# Altium PCB design.PcbDoc (part 4 of 4)
Units mil, origin at the board's own origin, x right, y up, seen from the top; angles counter-clockwise.
Board outline 4704.72 x 3503.94 mil, 6 copper layers (Top, GND, S3, S14, Power, Bottom), stack 57.09 mil thick; 326 components, 365 nets, 1536 pads, 493 vias.
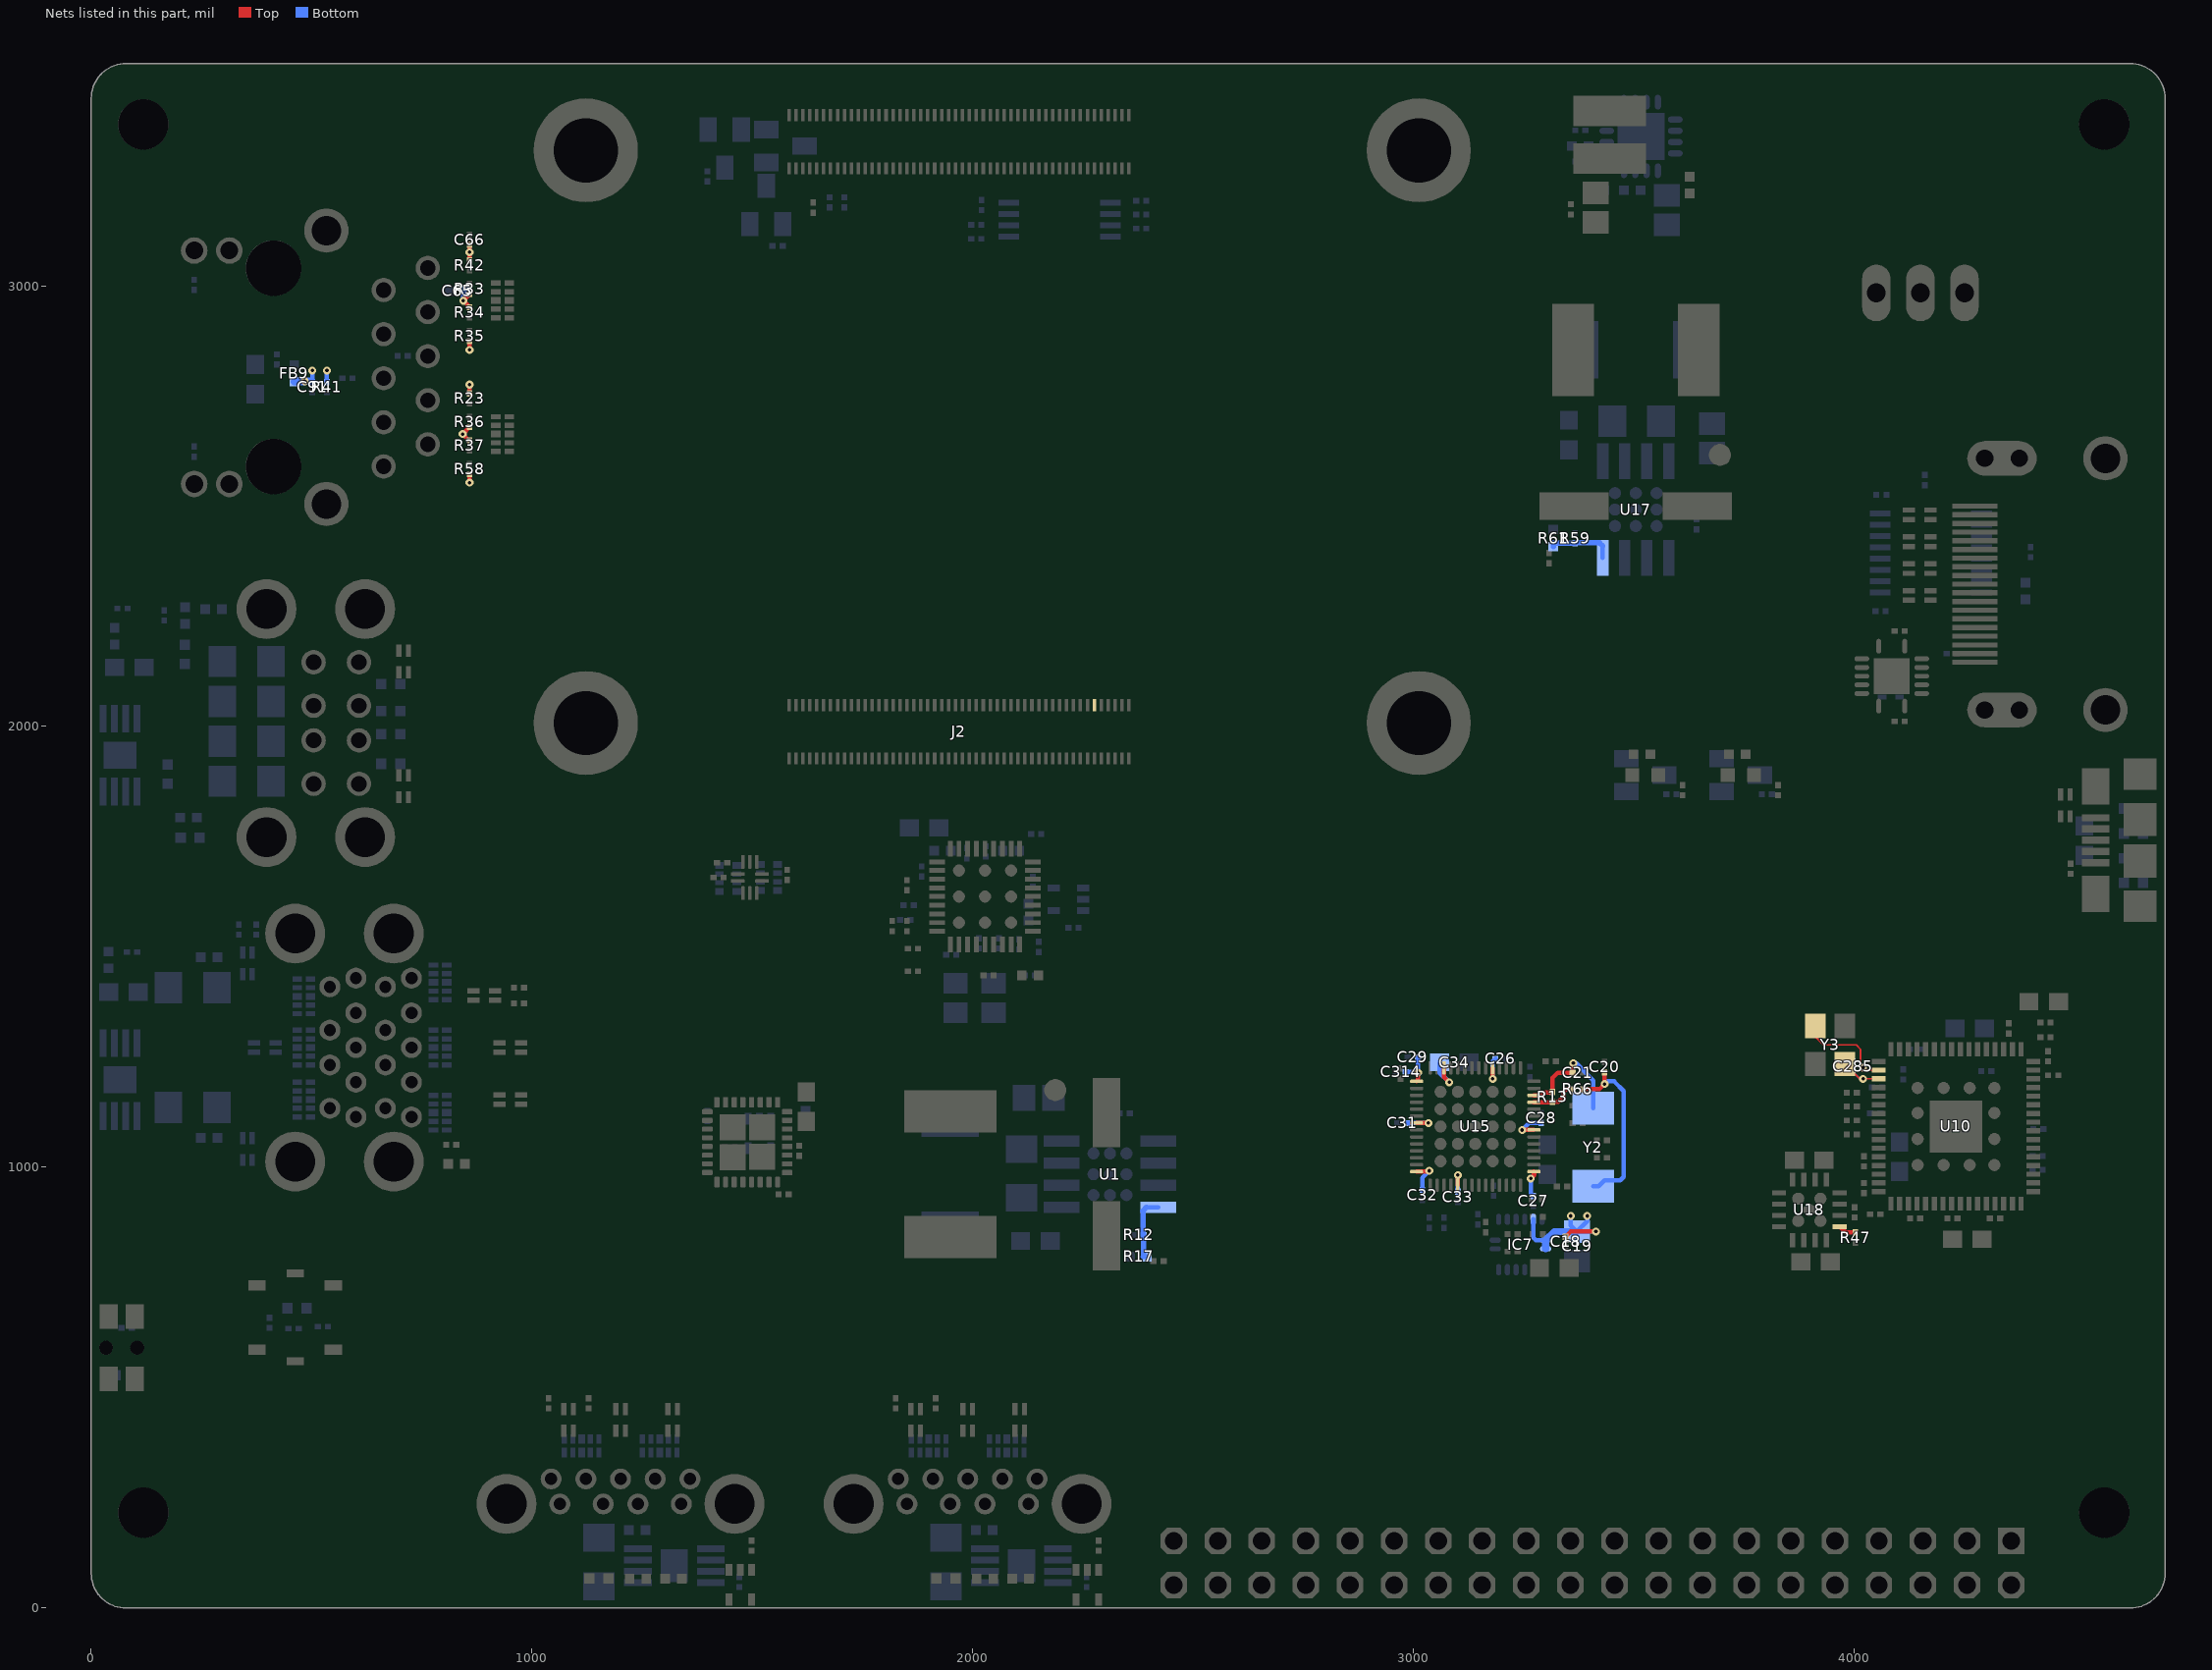
[diagram p6: the nets of this part, all layers, seen from the top]

## Via types
v1: diameter 18/18/18/18/18/18 (per signal layer), hole 8, Top to Bottom, 493 vias

## Nets (pads, with @x,y where several pads share a name; then routed paths per layer and width w, separated by ;. In a path a pad name is that pad's centre, name@x,y a point inside that pad or via, vN(x,y) a via of type N, cw(c..) or ccw(c..) an arc to the next point about the centre after c; other vN are vias at no path point) (continued)
VCC_1.2$19: C18.1 C19.1 C26.1 C27.1 C28.1 C29.1 C31.1 C32.1 C33.1 C34.1 C314.1 IC7.5 IC7.7 IC7.8 U15.5 U15.12 U15.15 U15.21 U15.28 U15.33 U15.43 U15.49 | length 996
  Top w10: U15.28@3006.69,990.16 3033.46,990.16 v1(3035.43,992.13) ; U15.21@3006.69,1100.39 v1(3033.46,1100.39) ; U15.15@3006.69,1194.88 3009.84,1198.03 v1(3009.84,1214.57) ; U15.12@3068.89,1225.59 3068.9,1204.72 v1(3080.71,1192.91) ; U15.33@3100.39,959.45 v1(3100.39,982.28) ; v1(3179.13,1200.79) U15.5@3179.13,1225.59 ; v1(3246.06,1084.65) U15.49@3272.83,1084.65 ; U15.43@3272.83,990.16 3272.83,981.5 v1(3265.75,974.41) 3273.62,982.28 U15.43@3273.62,989.37 ; C18.1@3344.49,842.21 3356.61,854.33 v1(3413.39,854.33)
  Bottom w10: C314.1@2981.97,1216.54 3007.87,1216.54 v1@3009.53,1214.88 ; C31.1@2985.91,1100.39 v1(3033.46,1100.39) ; C29.1@3009.53,1250 v1@3009.53,1214.88 ; v1@3011.81,1212.6 v1(3009.84,1214.57) v1@3009.53,1214.88 ; C32.1@3019.69,948.51 3019.69,976.38 v1(3035.43,992.13) ; C34.1@3059.06,1238.19 3059.06,1214.57 v1(3080.71,1192.91) ; C33.1@3100.39,944.57 v1(3100.39,982.28) ; v1(3179.13,1200.79) 3179.13,1239.85 C26.1@3185.35,1246.06 ; v1(3246.06,1084.65) 3262.12,1100.7 C28.1@3289.37,1100.7 ; v1(3265.75,974.41) 3265.75,940.63 C27.1@3271.65,934.73 ; IC7.5@3271.65,881.89 3271.65,840.55 3277.56,834.65 IC7.7@3299.22,834.64 ; v1(3356.3,889.76) 3356.3,868.11 C19.1@3370.08,854.33 ; v1(3393.7,889.76) 3393.7,877.95 C19.1@3370.08,854.33 ; v1(3413.39,854.33) C19.1@3370.08,854.33
  Bottom w16: IC7.8@3299.22,814.96 IC7.7@3299.22,834.64 3318.9,854.33 C19.1@3370.08,854.33
VCC_1V2_PG$16: R47.1 U18.5 | length 40.9
  Top w10: U18.5@3966.54,865.15 3979.64,852.05 R47.1@4001.97,852.05
VCC_3.3_FILT$4: C65.1 C66.1 C91.1 FB9.1 R23.2 R33.2 R34.2 R35.2 R36.2 R37.2 R41.2 R42.2 R58.2 | length 298.6
  Top w10: v1(858.27,2553.15) R58.2@858.27,2572.36 ; R37.2@858.27,2649.3 856.61,2649.3 v1(842.52,2663.39) 858.27,2679.13 R36.2@858.27,2679.44 ; R23.2@858.27,2755.59 v1(858.27,2775.59) ; v1(858.27,2854.33) R35.2@858.27,2874.33 ; R34.2@858.27,2951.26 858.27,2951.97 v1(844.09,2966.14) 858.27,2980.32 R33.2@858.27,2981.02 ; R42.2@858.27,3057.56 v1(858.27,3075.98) C66.1@858.27,3092.83
  Bottom w10: C91.1@501.57,2781.19 501.57,2783.46 v1(501.57,2807.48) ; R41.2@534.65,2781.19 v1(534.65,2807.48) ; v1(844.09,2966.14) 844.09,2982.57 C65.1@849.71,2988.19
  Bottom w16: FB9.1@460.63,2782.18 482.97,2782.18 v1(484.25,2783.46) C91.1@501.57,2783.46
VDAC_COMP: J2.11
VSENSE$2: R59.2 R61.1 U17.4 | length 151.8
  Bottom w10: U17.4@3428.94,2382.29 U17.4@3428.94,2409.45
  Bottom w12: R61.1@3316.93,2408.17 R61.1@3316.93,2415.67 ; R61.1@3316.93,2416.73 R61.1@3316.93,2415.67 ; U17.4@3428.94,2409.45 3421.65,2416.73 3366.14,2416.73 R59.2@3366.14,2415.67 R61.1@3316.93,2415.67
VSENSE$24: R12.2 R17.1 U1.4 | length 151.8
  Bottom w10: U1.4@2393.7,909.25 U1.4@2420.86,909.25
  Bottom w12: R17.1@2386.42,797.24 R17.1@2387.48,797.24 ; U1.4@2393.7,909.25 2386.42,901.97 2386.42,846.46 R12.2@2387.48,846.46 R17.1@2387.48,797.24 ; R17.1@2394.98,797.24 R17.1@2387.48,797.24
XI$16: C285.2 U10.51 Y3.1 | length 120.9
  Top w4: Y3.1@3978.35,1234.25 4011.81,1200.79 v1(4019.69,1200.79) U10.51@4055.11,1200.79
  Bottom w4: C285.2@3996.06,1216.85 4012.12,1200.79 v1(4019.69,1200.79)
XO$16: C285.1 U10.50 Y3.3 | length 251.4
  Top w4: Y3.3@3911.42,1320.87 3911.42,1295.28 3929.13,1277.56 4003.94,1277.56 4013.78,1267.72 4013.78,1234.25 4019.69,1228.35 v1(4019.69,1226.38) 4025.59,1220.47 U10.50@4055.11,1220.47
  Bottom w4: C285.1@3996.06,1239.85 4008.19,1239.85 4019.69,1228.35 v1(4019.69,1226.38)
XTALIN$19: C21.1 R13.2 U15.54 Y2.2 | length 276.9
  Top w10: U15.54@3272.83,1163.39 3291.34,1163.39 3297.83,1169.88 3314.96,1169.88 R13.2@3314.96,1170.95 3314.96,1202.76 3326.77,1214.57 C21.1@3360.55,1214.57 3360.55,1236.22 v1(3362.2,1236.22) v1@3361.61,1235.63
  Bottom w10: v1(3362.2,1236.22) 3368.11,1236.22 3407.48,1196.85 Y2.2@3407.48,1133.86
XTALOUT2$19: C20.1 R66.1 Y2.1 | length 410
  Top w10: R66.1@3382.09,1177.17 R66.1@3383.55,1177.17 3421.26,1177.17 v1(3433.07,1188.98) C20.1@3433.07,1215.67
  Bottom w10: Y2.1@3407.48,956.7 3419.29,956.69 3433.07,970.47 3468.5,970.47 3476.38,978.35 3476.38,1173.23 3454.72,1194.88 3438.98,1194.88 v1(3433.07,1188.98)
XTALOUT$19: R13.1 R66.2 U15.53 | length 106.3
  Top w10: U15.53@3272.83,1147.64 3314.65,1147.64 R13.1@3314.96,1147.95 3314.96,1149.02 3328.15,1149.02 3340.55,1161.42 3340.55,1171.26 3346.46,1177.17 R66.2@3360.55,1177.17
pads on no net: IC6.3 IC6.5 IC6.6 IC6.7 IC6.8 IC6.9 IC6.10 IC6.11 IC6.12 IC6.13 IC6.21 IC6.22 IC6.23 IC6.25 IC6.27 IC6.28 IC6.29 IC6.31 IC6.32 IC6.EXP1 IC6.EXP2 IC6.EXP3 IC6.EXP4 IC7.1 IC7.3 IC7.4 IC7.9 IC7.15 IC7.16 J2.1 J2.4 J2.6 J2.15 J2.17 J2.21 J2.23 J2.27 J2.28 J2.29 J2.30 J2.33 J2.34 J2.35 J2.36 J2.39 J2.40 J2.41 J2.42 J2.43 J2.45 J2.46 J2.47 J2.48 J2.49 J2.52 J2.54 J2.57 J2.58 J2.59 J2.60 J2.63 J2.64 J2.65 J2.66 J2.69 J2.71 J2.75 J2.77 J2.81 J2.83 J2.87 J2.89 J2.93 J2.94 J2.95 J2.96 J5.76 J5.80 J5.82 J5.89 J5.91 J5.97 RP1.3 RP1.4 RP1.5 RP1.6 RP2.1 RP2.2 RP2.7 RP2.8 S1.A@2 S1.B@1 S1.G@1 S1.G@2 S2.A@2 S2.B@1 U1.2 U1.3 U1.5 U2.2 U2.9 U5.2 U5.9 U6.2 U6.9 U7.4 U7.7 U10.2 U10.3 U10.13 U10.14 U10.16 U10.17 U10.25 U10.31 U10.60 U10.61 U10.63 U10.64 U13.6 U13.7 U13.8 U13.9 U13.11 U13.18 U13.19 U13.20 U13.21 U15.24 U15.25 U15.26 U15.27 U15.29 U15.30 U15.38 U15.39 U17.2 U17.3 U17.5 U18.8 U20.4 U20.7 U21.2 U21.9 U$24.6 U$24.9 U$24.PAD

## Polygon pours and split planes (outlines as drawn)
SSTX2_CUTOUT$20 on Top "Polygon_1_Net_SSTX2_CUTOUT$20" (solid, remove dead copper, pour order 7): 756.97,1317.83 695.79,1317.83 695.79,1461.69 756.97,1461.69
24.5.0V_VCC_5.0 on Top "Polygon_1_Net_24.5.0V_VCC_5.0" (solid, remove dead copper, pour order 35): 1825.71,930.2 1825.71,762.72 2347.52,762.72 2347.52,930.2
V1.2$16 on Top "Polygon_4_Net_V1.2$16" (solid, remove dead copper, pour order 17): 4134.92,1079.8 3894.61,1079.8 3894.61,1003.03 3794.21,1003.03 3794.21,902.48 3845.55,902.48 3845.55,943.82 3995.16,943.82 3995.16,1042.24 4134.92,1042.24
V1.2$16 on Top "Polygon_2_Net_V1.2$16" (solid, remove dead copper, pour order 12): 4323.81,1215.47 4321.7,1363.27 4430.2,1363.27 4430.2,1280.43 4384.92,1280.43 4384.92,1215.47
COMMON_SHIELD on Top "Polygon_13_Net_COMMON_SHIELD" (solid, remove dead copper, pour order 38): 2327.83,497.13 2327.83,172.17 2239.09,172.17 2239.09,430.04 1737.28,430.04 1737.28,172.17 1648.54,172.17 1648.54,497.13
COMMON_SHIELD on Top "Polygon_11_Net_COMMON_SHIELD" (solid, remove dead copper, pour order 37): 1540.43,497.13 1540.43,172.17 1451.69,172.17 1451.69,430.04 949.88,430.04 949.88,172.17 861.14,172.17 861.14,497.13
COMMON_SHIELD on Top "Polygon_4_Net_COMMON_SHIELD" (solid, remove dead copper, pour order 43): 4712.72,2673.35 4712.72,1968.38 4499.87,1968.38 4499.87,2673.35
COMMON_SHIELD on Top "Polygon_3_Net_COMMON_SHIELD" (solid, remove dead copper, pour order 29): 4709.72,1953.82 4709.72,1530.43 4620.98,1530.43 4620.98,1953.82
COMMON_SHIELD on Top "Polygon_1_Net_COMMON_SHIELD" (solid, remove dead copper, pour order 54): -5,3193.98 595.55,3193.98 595.55,3065.87 123.11,3065.87 123.11,2564.06 595.55,2564.06 595.55,2435.94 -5,2435.94
SW_3.3$3 on Top "Polygon_1_Net_SW_3.3$3" (solid, remove dead copper, pour order 13): 3536.5,3463.66 3400.37,3463.66 3361.14,3424.44 3361.14,3361.14 3536.5,3361.14
3.3.3V_VCC_3.3 on Top "Polygon_8_Net_3.3.3V_VCC_3.3" (solid, remove dead copper, pour order 15): 3792.24,894.76 3853.43,894.76 3853.43,845.55 4044.37,845.55 4044.37,748.94 3908.39,748.94 3908.39,806.02 3792.24,806.02
3.3.3V_VCC_3.3 on Top "Polygon_5_Net_3.3.3V_VCC_3.3" (solid, remove dead copper, pour order 71): 4384.76,1249.09 4384.76,1213.5 4449.72,1213.5 4449.72,1168.23 4501.06,1168.23 4501.06,1249.09
3.3.3V_VCC_3.3 on Top "Polygon_4_Net_3.3.3V_VCC_3.3" (solid, remove dead copper, pour order 8): 4130.83,845.39 4130.83,975.47 4203.82,975.47 4203.82,845.39
3.3.3V_VCC_3.3 on Top "Polygon_1_Net_3.3.3V_VCC_3.3" (solid, remove dead copper, pour order 23): 3524.69,3327.83 3306.02,3327.83 3306.02,3176.1 3445.72,3176.1 3524.69,3255.07
21.5.5-16V_VCC_BATT on Top "Polygon_4_Net_21.5.5-16V_VCC_BATT" (solid, remove dead copper, pour order 5): 2465.63,1144.61 2361.14,1144.61 2361.14,1225.47 2465.63,1225.47
21.5.5-16V_VCC_BATT on Top "Polygon_2_Net_21.5.5-16V_VCC_BATT" (solid, remove dead copper, pour order 6): 3664.29,2337.52 3664.29,2442.01 3745.16,2442.01 3745.16,2337.52
2.5.0V_VCC_5.0 on Top "Polygon_5_Net_2.5.0V_VCC_5.0" (solid, remove dead copper, pour order 87): 1670.2,3341.46 1670.2,3416.42 1760.91,3416.42 1760.91,3341.46
2.5.0V_VCC_5.0 on Top "Polygon_4_Net_2.5.0V_VCC_5.0" (solid, remove dead copper, pour order 1): 3599.33,3113.11 3599.33,3209.72 3650.67,3209.72 3650.67,3113.11
2.5.0V_VCC_5.0 on Top "Polygon_1_Net_2.5.0V_VCC_5.0" (solid, remove dead copper, pour order 36): 3449.88,2977.44 3282.4,2977.44 3282.4,2455.63 3449.88,2455.63
GND on Top "Polygon_55_Net_GND" (solid, remove dead copper, pour order 20): 14.69,487.13 146.73,487.13 146.73,693.98 14.69,693.98
GND on Top "Polygon_53_Net_GND" (solid, remove dead copper, pour order 81): 2485.32,743.03 2485.32,1225.47 1766.65,1225.47 1766.65,743.03
GND on Top "Polygon_51_Net_GND" (solid, remove dead copper, pour order 56): 1668.23,14.69 1668.23,162.48 1746.97,162.48 1746.97,422.32 2229.41,422.32 2229.41,162.48 2308.15,162.48 2308.15,14.69
GND on Top "Polygon_48_Net_GND" (solid, remove dead copper, pour order 55): 880.83,14.69 880.83,162.48 959.57,162.48 959.57,422.32 1442.01,422.32 1442.01,162.48 1520.75,162.48 1520.75,14.69
GND on Top "Polygon_45_Net_GND" (solid, remove dead copper, pour order 57): 3947.76,2924.13 4351.46,2924.13 4351.46,3508.94 3947.76,3508.94
GND on Top "Polygon_40_Net_GND" (solid, remove dead copper, pour order 84): 993.19,947.76 993.19,1595.55 -5,1595.55 -5,947.76
GND on Top "Polygon_37_Net_GND" (solid, remove dead copper, pour order 78): 3489.25,1284.53 3489.25,723.35 2928.07,723.35 2928.07,1284.53
GND on Top "Polygon_34_Net_GND" (solid, remove dead copper, pour order 77): 1786.34,1796.34 2308.15,1796.34 2308.15,1313.9 1786.34,1313.9
GND on Top "Polygon_31_Net_GND" (solid, remove dead copper, pour order 99): 733.35,1687.91 733.35,2327.83 -5,2327.83 -5,1687.91
GND on Top "Polygon_30_Net_GND" (solid, remove dead copper, pour order 100): 4510.9,723.35 4512.88,1422.32 3774.53,1422.32 3774.53,723.35
GND on Top "Polygon_26_Net_GND" (solid, remove dead copper, pour order 68): 2420.2,-4.61 4390.83,-5 4390.83,418.78 2420.2,418.78
GND on Top "Polygon_24_Net_GND" (solid, remove dead copper, pour order 89): 998.94,1884.76 3134.92,1884.76 3134.92,3430.2 998.94,3430.2
GND on Top "Polygon_23_Net_GND" (solid, remove dead copper, pour order 25): 1392.64,1737.28 1599.49,1737.28 1599.49,1569.8 1392.64,1569.8
GND on Top "Polygon_19_Net_GND" (solid, remove dead copper, pour order 94): 4493.19,2650.67 4493.19,1991.06 3971.38,1991.06 3971.38,2650.67
GND on Top "Polygon_17_Net_GND" (solid, remove dead copper, pour order 93): 3412.32,1993.19 3638.86,1993.19 3638.86,1786.34 3412.32,1786.34
GND on Top "Polygon_14_Net_GND" (solid, remove dead copper, pour order 90): 3628.86,1993.19 3855.39,1993.19 3855.39,1786.34 3628.86,1786.34
GND on Top "Polygon_11_Net_GND" (solid, remove dead copper, pour order 86): 73.74,3193.98 989.25,3193.98 989.25,2435.94 73.74,2435.94
GND on Top "Polygon_10_Net_GND" (solid, remove dead copper, pour order 75): 3686.1,3085.55 3302.09,3085.55 3302.09,3469.57 3686.1,3469.57
GND on Top "Polygon_7_Net_GND" (solid, remove dead copper, pour order 83): 3262.72,2317.83 3745.16,2317.83 3745.16,3036.5 3262.72,3036.5
GND on Top "Polygon_4_Net_GND" (solid, remove dead copper, pour order 41): 1658.54,1225.47 1353.27,1225.47 1353.27,880.83 1658.54,880.83
GND on Top "Polygon_1_Net_GND" (solid, remove dead copper, pour order 102): -5,-5 -5,3508.94 4709.72,3508.94 4709.72,-5
COMMON_SHIELD on GND "Polygon_10_Net_COMMON_SHIELD" (solid, remove dead copper, pour order 52): 428.07,971.38 428.07,1571.93 713.66,1571.93 713.66,971.38
COMMON_SHIELD on GND "Polygon_6_Net_COMMON_SHIELD" (solid, remove dead copper, pour order 45): 4712.72,2673.35 4712.72,1968.38 4499.87,1968.38 4499.87,2673.35
GND on GND "Polygon_52_Net_GND" (solid, remove dead copper, pour order 61): 1668.23,477.44 2308.15,477.44 2308.15,14.69 1668.23,14.69
GND on GND "Polygon_49_Net_GND" (solid, remove dead copper, pour order 62): 880.83,477.44 1520.75,477.44 1520.75,14.69 880.83,14.69
GND on GND "Polygon_39_Net_GND" (solid, remove dead copper, pour order 63): 3489.25,1284.53 3489.25,723.35 2928.07,723.35 2928.07,1284.53
GND on GND "Polygon_36_Net_GND" (solid, remove dead copper, pour order 60): 1786.34,1796.34 2308.15,1796.34 2308.15,1313.9 1786.34,1313.9
GND on GND "Polygon_33_Net_GND" (solid, remove dead copper, pour order 65): 733.35,1687.91 733.35,2327.83 -5,2327.83 -5,1687.91
GND on GND "Polygon_27_Net_GND" (solid, remove dead copper, pour order 69): 2420.2,-4.61 4390.83,-5 4390.83,418.78 2420.2,418.78
GND on GND "Polygon_22_Net_GND" (solid, remove dead copper, pour order 24): 1392.64,1569.8 1599.49,1569.8 1599.49,1737.28 1392.64,1737.28
GND on GND "Polygon_21_Net_GND" (solid, remove dead copper, pour order 97): 4493.19,2650.67 3971.38,2650.67 3971.38,1991.06 4493.19,1991.06
GND on GND "Polygon_16_Net_GND" (solid, remove dead copper, pour order 33): 3412.32,1786.34 3638.86,1786.34 3638.86,1993.19 3412.32,1993.19
GND on GND "Polygon_13_Net_GND" (solid, remove dead copper, pour order 32): 3628.86,1786.34 3855.39,1786.34 3855.39,1993.19 3628.86,1993.19
GND on GND "Polygon_6_Net_GND" (solid, remove dead copper, pour order 40): 1658.54,1225.47 1353.27,1225.47 1353.27,880.83 1658.54,880.83
GND on GND "Polygon_2_Net_GND" (solid, remove dead copper, pour order 105): -5,-5 -5,3508.94 4709.72,3508.94 4709.72,-5
PH$24 on Bottom "Polygon_2_Net_PH$24" (solid, remove dead copper, pour order 3): 2148.54,1038.31 2148.54,1115.24 2241.22,1115.24 2241.22,1038.31
PH$24 on Bottom "Polygon_1_Net_PH$24" (solid, remove dead copper, pour order 27): 1865.08,1038.31 1865.08,1205.79 2075.87,1205.79 2075.87,1038.31
V1.2$16 on Bottom "Polygon_5_Net_V1.2$16" (solid, remove dead copper, pour order 18): 4134.92,1079.8 3894.61,1079.8 3894.61,1003.03 3794.21,1003.03 3794.21,902.48 3845.55,902.48 3845.55,943.82 3995.16,943.82 3995.16,1042.24 4134.92,1042.24
V1.2$16 on Bottom "Polygon_1_Net_V1.2$16" (solid, remove dead copper, pour order 11): 4323.81,1215.47 4321.7,1363.27 4430.2,1363.27 4430.2,1280.43 4384.92,1280.43 4384.92,1215.47
COMMON_SHIELD on Bottom "Polygon_14_Net_COMMON_SHIELD" (solid, remove dead copper, pour order 49): 2327.83,497.13 2327.83,172.17 2239.09,172.17 2239.09,309.96 1737.28,309.96 1737.28,172.17 1648.54,172.17 1648.54,497.13
COMMON_SHIELD on Bottom "Polygon_12_Net_COMMON_SHIELD" (solid, remove dead copper, pour order 48): 1540.43,497.13 1540.43,172.17 1451.69,172.17 1451.69,309.96 949.88,309.96 949.88,172.17 861.14,172.17 861.14,497.13
COMMON_SHIELD on Bottom "Polygon_5_Net_COMMON_SHIELD" (solid, remove dead copper, pour order 47): 4712.72,2673.35 4712.72,1968.38 4499.87,1968.38 4499.87,2673.35
COMMON_SHIELD on Bottom "Polygon_2_Net_COMMON_SHIELD" (solid, remove dead copper, pour order 28): 4709.72,1953.82 4709.72,1530.43 4620.98,1530.43 4620.98,1953.82
SW_3.3$3 on Bottom "Polygon_2_Net_SW_3.3$3" (solid, remove dead copper, pour order 4): 3536.5,3396.57 3420.2,3396.57 3420.2,3463.66 3536.5,3463.66
3.3.3V_VCC_3.3 on Bottom "Polygon_9_Net_3.3.3V_VCC_3.3" (solid, remove dead copper, pour order 14): 3792.24,894.76 3853.43,894.76 3853.43,845.55 4044.37,845.55 4044.37,748.94 3908.39,748.94 3908.39,806.02 3792.24,806.02
3.3.3V_VCC_3.3 on Bottom "Polygon_6_Net_3.3.3V_VCC_3.3" (solid, remove dead copper, pour order 72): 4384.76,1249.09 4384.76,1213.5 4449.72,1213.5 4449.72,1168.23 4501.06,1168.23 4501.06,1249.09
3.3.3V_VCC_3.3 on Bottom "Polygon_3_Net_3.3.3V_VCC_3.3" (solid, remove dead copper, pour order 9): 4130.83,845.39 4130.83,975.47 4203.82,975.47 4203.82,845.39
3.3.3V_VCC_3.3 on Bottom "Polygon_2_Net_3.3.3V_VCC_3.3" (solid, remove dead copper, pour order 10): 3367.2,3382.95 3306.02,3382.95 3306.02,3176.1 3367.2,3176.1
21.5.5-16V_VCC_BATT on Bottom "Polygon_3_Net_21.5.5-16V_VCC_BATT" (solid, remove dead copper, pour order 21): 2148.54,1120.98 2148.54,1225.47 2465.63,1225.47 2465.63,1144.61 2242.23,1144.61 2218.61,1120.98
21.5.5-16V_VCC_BATT on Bottom "Polygon_1_Net_21.5.5-16V_VCC_BATT" (solid, remove dead copper, pour order 22): 3640.67,2654.61 3745.16,2654.61 3745.16,2337.52 3664.29,2337.52 3664.29,2560.92 3640.67,2584.54
PH$2 on Bottom "Polygon_2_Net_PH$2" (solid, remove dead copper, pour order 2): 3557.99,2654.61 3634.92,2654.61 3634.92,2561.93 3557.99,2561.93
PH$2 on Bottom "Polygon_1_Net_PH$2" (solid, remove dead copper, pour order 26): 3557.99,2938.07 3725.47,2938.07 3725.47,2727.28 3557.99,2727.28
2.5.0V_VCC_5.0 on Bottom "Polygon_2_Net_2.5.0V_VCC_5.0" (solid, remove dead copper, pour order 16): 3463.5,3284.53 3493.19,3284.53 3493.19,3205.34 3532.11,3166.42 3599.08,3166.42 3636.73,3204.07 3636.73,3262.58 3609.04,3290.28 3569.8,3290.28 3569.8,3363.27 3644.98,3363.27 3670.35,3337.9 3670.35,3138.52 3639.03,3107.2 3534.76,3107.2 3463.5,3178.47
GND on Bottom "Polygon_56_Net_GND" (solid, remove dead copper, pour order 19): 146.73,693.98 14.69,693.98 14.69,487.13 146.73,487.13
GND on Bottom "Polygon_54_Net_GND" (solid, remove dead copper, pour order 82): 2485.32,743.03 2485.32,1225.47 1766.65,1225.47 1766.65,743.03
GND on Bottom "Polygon_50_Net_GND" (solid, remove dead copper, pour order 51): 1668.23,162.48 1766.65,162.48 1766.65,300.28 2209.72,300.28 2209.72,162.48 2308.15,162.48 2308.15,14.69 1668.23,14.69
GND on Bottom "Polygon_47_Net_GND" (solid, remove dead copper, pour order 50): 880.83,162.48 979.25,162.48 979.25,300.28 1422.32,300.28 1422.32,162.48 1520.75,162.48 1520.75,14.69 880.83,14.69
GND on Bottom "Polygon_46_Net_GND" (solid, remove dead copper, pour order 58): 3947.76,2924.13 4351.46,2924.13 4351.46,3508.94 3947.76,3508.94
GND on Bottom "Polygon_41_Net_GND" (solid, remove dead copper, pour order 66): 993.19,947.76 993.19,1595.55 -5,1595.55 -5,947.76
GND on Bottom "Polygon_38_Net_GND" (solid, remove dead copper, pour order 79): 3489.25,1284.53 3489.25,723.35 2928.07,723.35 2928.07,1284.53
GND on Bottom "Polygon_35_Net_GND" (solid, remove dead copper, pour order 76): 1786.34,1796.34 2308.15,1796.34 2308.15,1313.9 1786.34,1313.9
GND on Bottom "Polygon_32_Net_GND" (solid, remove dead copper, pour order 98): 733.35,1687.91 733.35,2327.83 -5,2327.83 -5,1687.91
GND on Bottom "Polygon_29_Net_GND" (solid, remove dead copper, pour order 101): 4510.9,723.35 4512.88,1422.32 3774.53,1422.32 3774.53,723.35
GND on Bottom "Polygon_28_Net_GND" (solid, remove dead copper, pour order 70): 2420.2,-4.61 4390.83,-5 4390.83,418.78 2420.2,418.78
GND on Bottom "Polygon_25_Net_GND" (solid, remove dead copper, pour order 88): 998.94,1884.76 3134.92,1884.76 3134.92,3430.2 998.94,3430.2
GND on Bottom "Polygon_20_Net_GND" (solid, remove dead copper, pour order 96): 4493.19,2650.67 4493.19,1991.06 3971.38,1991.06 3971.38,2650.67
GND on Bottom "Polygon_18_Net_GND" (solid, remove dead copper, pour order 92): 3412.32,1993.19 3638.86,1993.19 3638.86,1786.34 3412.32,1786.34
GND on Bottom "Polygon_15_Net_GND" (solid, remove dead copper, pour order 91): 3628.86,1993.19 3855.39,1993.19 3855.39,1786.34 3628.86,1786.34
GND on Bottom "Polygon_12_Net_GND" (solid, remove dead copper, pour order 85): 73.74,2435.94 989.25,2435.94 989.25,3193.98 73.74,3193.98
GND on Bottom "Polygon_9_Net_GND" (solid, remove dead copper, pour order 73): 3546.18,3438.07 3619.17,3438.07 3619.17,3369.02 3564.06,3369.02 3564.06,3288.46 3607.58,3288.46 3632.95,3263.09 3632.95,3206.38 3602.68,3176.1 3527.98,3176.1 3495,3209.08 3495,3290.28 3461.69,3290.28 3461.69,3199.72 3416.37,3199.72 3412.21,3394.76 3546.18,3394.76
GND on Bottom "Polygon_8_Net_GND" (solid, remove dead copper, pour order 80): 3262.72,2317.83 3745.16,2317.83 3745.16,3036.5 3262.72,3036.5
GND on Bottom "Polygon_5_Net_GND" (solid, remove dead copper, pour order 39): 1658.54,1225.47 1353.27,1225.47 1353.27,880.83 1658.54,880.83
GND on Bottom "Polygon_3_Net_GND" (solid, remove dead copper, pour order 103): -5,-5 -5,3508.94 4709.72,3508.94 4709.72,-5
VCC_1.2$19 on Power "Polygon_1_Net_VCC_1.2$19" (solid, remove dead copper, pour order 64): 2927.07,1285.53 2927.07,722.35 3490.25,722.35 3490.25,1285.53
V1.2$16 on Power "Polygon_3_Net_V1.2$16" (solid, remove dead copper, pour order 53): 3794.21,900.51 3794.21,1382.95 4501.06,1382.95 4501.06,1248.94 4335.71,1248.94 4335.71,1193.82 4097.52,1193.82 4097.52,851.3 4028.46,851.3 4028.46,900.51
14.3.3V_VCC_3.3 on Power "Polygon_1_Net_14.3.3V_VCC_3.3" (solid, remove dead copper, pour order 59): 1786.34,1313.9 2308.15,1313.9 2308.15,1796.34 1786.34,1796.34
14.VLOGIC_VLOGIC on Power "Polygon_1_Net_14.VLOGIC_VLOGIC" (solid, remove dead copper, pour order 95): 4493.19,2650.67 3971.38,2650.67 3971.38,1991.06 4493.19,1991.06
VCC_3.3_FILT$4 on Power "Polygon_1_Net_VCC_3.3_FILT$4" (solid, remove dead copper, pour order 67): 73.74,3193.98 989.25,3193.98 989.25,2435.94 73.74,2435.94
COMMON_SHIELD on Power "Polygon_9_Net_COMMON_SHIELD" (solid, remove dead copper, pour order 42): 4712.72,2673.35 4712.72,1968.38 4499.87,1968.38 4499.87,2673.35
3.3.3V_VCC_3.3 on Power "Polygon_7_Net_3.3.3V_VCC_3.3" (solid, remove dead copper, pour order 74): 3794.21,896.73 4022.72,896.73 4022.72,839.65 4132.8,839.65 4132.8,969.57 4341.46,969.57 4341.46,1247.13 4501.06,1247.13 4501.06,780.43 3794.21,780.43
2.5.0V_VCC_5.0 on Power "Polygon_6_Net_2.5.0V_VCC_5.0" (solid, remove dead copper, pour order 104): -5,-5 -5,3508.94 4709.72,3508.94 4709.72,-5
2.5.0V_VCC_5.0 on Power "Polygon_3_Net_2.5.0V_VCC_5.0" (solid, remove dead copper, pour order 0): 3599.33,3164.45 3650.67,3164.45 3650.67,3113.11 3599.33,3113.11
GND on Power "Polygon_44_Net_GND" (solid, remove dead copper, pour order 34): 754.84,1069.8 906.57,1069.8 906.57,1477.44 754.84,1477.44
GND on Power "Polygon_43_Net_GND" (solid, remove dead copper, pour order 30): 571.93,1398.7 571.93,1329.65 454.83,1329.65 423.33,1298.15 352.26,1298.15 313.9,1336.51 313.9,1595.55 398.7,1595.55 398.7,1474.51 474.51,1398.7
GND on Power "Polygon_42_Net_GND" (solid, remove dead copper, pour order 31): 571.93,1140.67 571.93,1213.66 454.83,1213.66 423.33,1245.16 356.2,1245.16 317.83,1206.79 317.83,947.76 410.51,947.76 410.51,1076.67 474.51,1140.67
COMMON_SHIELD on S3 "Polygon_7_Net_COMMON_SHIELD" (solid, remove dead copper, pour order 46): 4712.72,2673.35 4712.72,1968.38 4499.87,1968.38 4499.87,2673.35
COMMON_SHIELD on S14 "Polygon_8_Net_COMMON_SHIELD" (solid, remove dead copper, pour order 44): 4712.72,2673.35 4712.72,1968.38 4499.87,1968.38 4499.87,2673.35

## Keep-outs
Top:
  region: 3326.77,3110.24 3326.77,3484.25 3700.79,3484.25 3700.79,3110.24
Keep-Out Layer:
  the board outline again, w4

## Other copper
Top:
  pour cut-out net CO_SSTX_T$23: 1791.34,334.65 1948.82,334.65 1948.82,253.94 1791.34,253.94 1791.34,334.65
  pour cut-out net CO_SSRX_T$23: 2027.56,334.65 2185.04,334.65 2185.04,253.94 2027.56,253.94 2027.56,334.65
  pour cut-out net CO_SSTX_T$22: 1003.94,334.65 1161.42,334.65 1161.42,253.94 1003.94,253.94 1003.94,334.65
  pour cut-out net CO_SSRX_T$22: 1240.16,334.65 1397.64,334.65 1397.64,253.94 1240.16,253.94 1240.16,334.65
  pour cut-out net SSRX2_CUTOUT$20: 751.97,1086.61 700.79,1086.61 700.79,1220.47 751.97,1220.47 751.97,1086.61
  pour cut-out net SSTX1_CUTOUT$20: 625.98,1456.69 574.8,1456.69 574.8,1322.83 625.98,1322.83 625.98,1456.69
  pour cut-out net SSRX1_CUTOUT$20: 574.8,1086.61 625.98,1086.61 625.98,1220.47 574.8,1220.47 574.8,1086.61
GND:
  pour cut-out net SSTX2_CUTOUT$20: 751.97,1456.69 700.79,1456.69 700.79,1322.83 751.97,1322.83 751.97,1456.69
  pour cut-out net SSRX2_CUTOUT$20: 751.97,1220.47 700.79,1220.47 700.79,1086.61 751.97,1086.61 751.97,1220.47
  pour cut-out net SSTX1_CUTOUT$20: 625.98,1456.69 574.8,1456.69 574.8,1322.83 625.98,1322.83 625.98,1456.69
  pour cut-out net SSRX1_CUTOUT$20: 574.8,1086.61 625.98,1086.61 625.98,1220.47 574.8,1220.47 574.8,1086.61
Power:
  pour cut-out net SSTX2_CUTOUT$20: 700.79,1322.83 751.97,1322.83 751.97,1456.69 700.79,1456.69 700.79,1322.83
  pour cut-out net SSRX2_CUTOUT$20: 751.97,1220.47 700.79,1220.47 700.79,1086.61 751.97,1086.61 751.97,1220.47
  pour cut-out net SSTX1_CUTOUT$20: 625.98,1456.69 574.8,1456.69 574.8,1322.83 625.98,1322.83 625.98,1456.69
  pour cut-out net SSRX1_CUTOUT$20: 574.8,1086.61 625.98,1086.61 625.98,1220.47 574.8,1220.47 574.8,1086.61
Bottom:
  pour cut-out net CO_SSTX_B$23: 1791.34,334.65 1948.82,334.65 1948.82,253.94 1791.34,253.94 1791.34,334.65
  pour cut-out net CO_SSRX_B$23: 2027.56,334.65 2185.04,334.65 2185.04,253.94 2027.56,253.94 2027.56,334.65
  pour cut-out net CO_SSTX_B$22: 1003.94,334.65 1161.42,334.65 1161.42,253.94 1003.94,253.94 1003.94,334.65
  pour cut-out net CO_SSRX_B$22: 1240.16,334.65 1397.64,334.65 1397.64,253.94 1240.16,253.94 1240.16,334.65
  pour cut-out net SSTX2_CUTOUT$20: 751.97,1456.69 700.79,1456.69 700.79,1322.83 751.97,1322.83 751.97,1456.69
  pour cut-out net SSRX2_CUTOUT$20: 751.97,1220.47 700.79,1220.47 700.79,1086.61 751.97,1086.61 751.97,1220.47
  pour cut-out net SSTX1_CUTOUT$20: 625.98,1322.83 574.8,1322.83 574.8,1456.69 625.98,1456.69 625.98,1322.83
  pour cut-out net SSRX1_CUTOUT$20: 574.8,1220.47 625.98,1220.47 625.98,1086.61 574.8,1086.61 574.8,1220.47

## Silkscreen, mask and mechanical layers (free items; w line width, h text height)
Dimension:
  lines w4: 4704.72,1604.33 4783.46,1604.33 4783.46,1879.92 4704.72,1879.92 ; 0,78.74 ccw(c78.74,78.74) 78.74,0 4625.98,0 ccw(c4625.98,78.74) 4704.72,78.74 4704.72,3425.2 ccw(c4625.98,3425.2) 4625.98,3503.94 78.74,3503.94 ccw(c78.74,3425.2) 0,3425.2 0,78.74
  lines w39.37: 4295.28,2037.4 4374.02,2037.4 ; 4295.28,2608.26 4374.02,2608.26
  text "NO TAB" at 4764.16,1642.46 h62 r90
tPlace:
  text "39" at 2432.25,216.54 h27.2
  text "1" at 4351.95,216.54 h27.2
bPlace:
  text "BOOT" at 1358.27,3248.03 h27.2 r90
  text "P1" at 4296.85,140.58 h22.1 r270
  text "P9" at 3898.03,136.9 h22.1 r270
  text "P7" at 3997.63,136.9 h22.1 r270
  text "P5" at 4096.06,136.9 h22.1 r270
  text "P3" at 4196.45,136.9 h22.1 r270
  text "P11" at 3796.85,131.37 h22.1 r270
  text "P31" at 2796.85,129.93 h22.1 r270
  text "P21" at 3296.85,129.53 h22.1 r270
  text "P19" at 3397.24,127.69 h22.1 r270
  text "P17" at 3497.63,127.69 h22.1 r270
  text "P15" at 3598.03,127.69 h22.1 r270
  text "P13" at 3698.42,127.69 h22.1 r270
  text "P39" at 2397.24,126.25 h22.1 r270
  text "P37" at 2497.63,126.25 h22.1 r270
  text "P35" at 2596.06,126.25 h22.1 r270
  text "P33" at 2696.45,126.25 h22.1 r270
  text "P29" at 2899.21,125.85 h22.1 r270
  text "P27" at 2997.63,125.85 h22.1 r270
  text "P25" at 3096.06,125.85 h22.1 r270
  text "P23" at 3196.45,125.85 h22.1 r270
  text "P8" at 3999.6,38.48 h22.1 r270
  text "P6" at 4096.06,38.48 h22.1 r270
  text "P4" at 4196.45,38.48 h22.1 r270
  text "P2" at 4296.85,38.48 h22.1 r270
  text "P10" at 3898.03,29.27 h22.1 r270
  text "P40" at 2397.24,27.82 h22.1 r270
  text "P38" at 2497.63,27.82 h22.1 r270
  text "P36" at 2596.06,27.82 h22.1 r270
  text "P34" at 2696.45,27.82 h22.1 r270
  text "P32" at 2796.85,27.82 h22.1 r270
  text "P30" at 2899.21,27.43 h22.1 r270
  text "P28" at 2997.63,27.43 h22.1 r270
  text "P26" at 3096.06,27.43 h22.1 r270
  text "P24" at 3196.45,27.43 h22.1 r270
  text "P22" at 3296.85,27.43 h22.1 r270
  text "P20" at 3397.24,27.43 h22.1 r270
  text "P18" at 3497.63,27.3 h22.1 r270
  text "P16" at 3598.03,27.3 h22.1 r270
  text "P14" at 3698.42,27.3 h22.1 r270
  text "P12" at 3796.85,27.3 h22.1 r270
Unrouted:
  lines w0: 762.99,2840.55 855.51,3173.9 882.68,3173.5 ; 974.41,29.53 915.35,29.53 905.51,118.11 974.41,127.95 1112.2,226.38 994.09,334.65 905.51,314.96 905.51,374.02 905.51,433.07 1003.94,433.07 1161.42,433.07 1259.84,433.07 1377.95,433.07 1456.69,433.07 1496.06,374.02 1496.06,314.96 1407.48,334.65 1377.95,196.85 ; 1134.84,257.87 1151.57,177.17 ; 1151.57,49.21 1259.16,66.93 1269.69,19.69 1318.9,19.69 1368.11,19.69 ; 1173.2,2171.26 1346.46,3268.7 ; 1219.41,2175.2 1397.64,3259.53 ; 1274.69,2216.54 1568.59,3090.55 1568.9,3139.76 ; 1283.46,2915.35 1354.33,2911.42 ; 1289.37,206.69 1377.95,196.85 ; 1301.87,66.93 1322.83,96.46 1405.51,134.84 ; 1354.33,2836.61 1283.46,2990.16 1531.5,3226.38 ; 1364.14,2153.54 2019.37,3137.8 ; 1379.95,2086.61 2019.37,3106.3 ; 1419.6,1690.94 1427.17,1584.65 ; 1440.94,2874.02 1675.2,3200.48 ; 1498.03,153.23 1446.85,86.61 ; 1519.69,39.37 1470.47,47.56 1446.85,86.61 ; 1637.8,3188.67 1708.66,3200.48 ; 1761.81,29.53 1702.76,29.53 1692.91,118.11 1761.81,127.95 1899.61,226.38 1781.5,334.65 1692.91,314.96 1692.91,374.02 1692.91,433.07 1791.34,433.07 1948.82,433.07 2047.24,433.07 2165.35,433.07 2244.09,433.07 2283.46,374.02 2283.46,314.96 2194.88,334.65 2165.35,196.85 ; 1922.24,257.87 1938.98,177.17 ; 1938.98,49.21 2046.56,66.93 2057.09,19.69 2106.3,19.69 2155.51,19.69 ; 2076.77,206.69 2165.35,196.85 ; 2089.27,66.93 2110.24,96.46 2192.91,134.84 ; 2285.43,153.23 2234.25,86.61 ; 2307.09,39.37 2257.87,47.56 2234.25,86.61 ; 2409.76,787.4 2409.76,820.87 ; 2578.04,231.89 2643.7,265.75 2801.18,226.38 2911.5,350.39 2978.35,265.75 3135.83,226.38 3249.3,224.02 3312.99,265.75 3470.47,226.38 3609.93,358.27 3667.32,364.17 3824.8,324.8 3944.57,358.27 4001.97,364.17 4159.45,324.8 ; 2578.82,350.79 2801.18,364.17 2909.93,230.71 3135.83,364.17 3249.69,349.21 3470.47,364.17 3609.93,220.47 3667.32,226.38 3944.57,220.47 4001.97,226.38 ; 2972.44,848.46 3001.97,885.52 3084.65,959.45 ; 2992.13,848.46 3035.43,885.52 3116.14,959.45 ; 3011.81,848.46 3145.36,893.7 ; 3031.5,848.46 3147.64,959.45 3181.1,958.35 ; 3131.89,959.45 3145.67,893.39 ; 3307.09,2393.39 3340.55,2393.39 ; 4240.16,890.07 4460.63,874.05 ; 4407.48,1198.82 4448.82,909.48 ; 4470.5,1714.57 4490.16,1688.67 ; 1377.95,196.85 1405.51,134.84 ; 1405.51,134.84 1446.85,86.61 ; 2165.35,196.85 2192.91,134.84 ; 2192.91,134.84 2234.25,86.61

## Text inside footprints (layer, text, board x,y; h text height)
D1: tPlace "A" at 441.93,705.32 h18.6 r270; tPlace "C" at 491.93,705.32 h18.6 r270
D2: tPlace "A" at 704.13,1957.28 h18.6 r90; tPlace "C" at 654.13,1957.28 h18.6 r90
D3: tPlace "A" at 249.41,1723.03 h18.6 r90; tPlace "C" at 199.41,1723.03 h18.6 r90
D4: tPlace "A" at 187.6,2138.39 h18.6; tPlace "C" at 187.6,2188.39 h18.6
D5: tPlace "A" at 704.13,2071.46 h18.6 r90; tPlace "C" at 654.13,2071.46 h18.6 r90
D6: tPlace "A" at 704.13,1890.35 h18.6 r90; tPlace "C" at 654.13,1890.35 h18.6 r90
D7: tPlace "A" at 198.23,1916.73 h18.6 r180; tPlace "C" at 198.23,1866.73 h18.6 r180
D8: tDocu "C" at 3550.59,1864.76 h24.8 r270; tDocu "A" at 3475.59,1864.76 h24.8 r270
D9: tPlace "A" at 4657.68,1732.28 h18.6 r90; tPlace "C" at 4607.68,1732.28 h18.6 r90
D10: tPlace "A" at 4657.68,1676.38 h18.6 r90; tPlace "C" at 4607.68,1676.38 h18.6 r90
D11: tPlace "A" at 4657.68,1620.47 h18.6 r90; tPlace "C" at 4607.68,1620.47 h18.6 r90
D12: tPlace "A" at 4657.68,1788.98 h18.6 r90; tPlace "C" at 4607.68,1788.98 h18.6 r90
D13: tDocu "C" at 3767.13,1864.76 h24.8 r270; tDocu "A" at 3692.13,1864.76 h24.8 r270
D15: tPlace "A" at 704.13,2010.43 h18.6 r90; tPlace "C" at 654.13,2010.43 h18.6 r90
D16: tPlace "A" at 1126.57,41.93 h18.6 r270; tPlace "C" at 1176.57,41.93 h18.6 r270
D17: tPlace "A" at 1913.98,41.93 h18.6 r270; tPlace "C" at 1963.98,41.93 h18.6 r270
D19: tPlace "A" at 101.38,503.35 h18.6 r90; tPlace "C" at 51.38,503.35 h18.6 r90
U14: PlatedSlots "ROUTE 1mm x 3mm SLOT" at 4295.28,2608.26 h49.6 r90